# Altium PCB Copy of EXP_V111.PcbDoc (part 2 of 3)
Units mm, origin at the board's own origin, x right, y up, seen from the top; angles counter-clockwise.
Board outline 86 x 86 mm, 4 copper layers (Top Layer, Mid-Layer 1, Mid-Layer 2, Bottom Layer), stack 1.584 mm thick; 340 components, 283 nets, 1185 pads, 448 vias.
Unrouted connection lines stored in the file: 498.
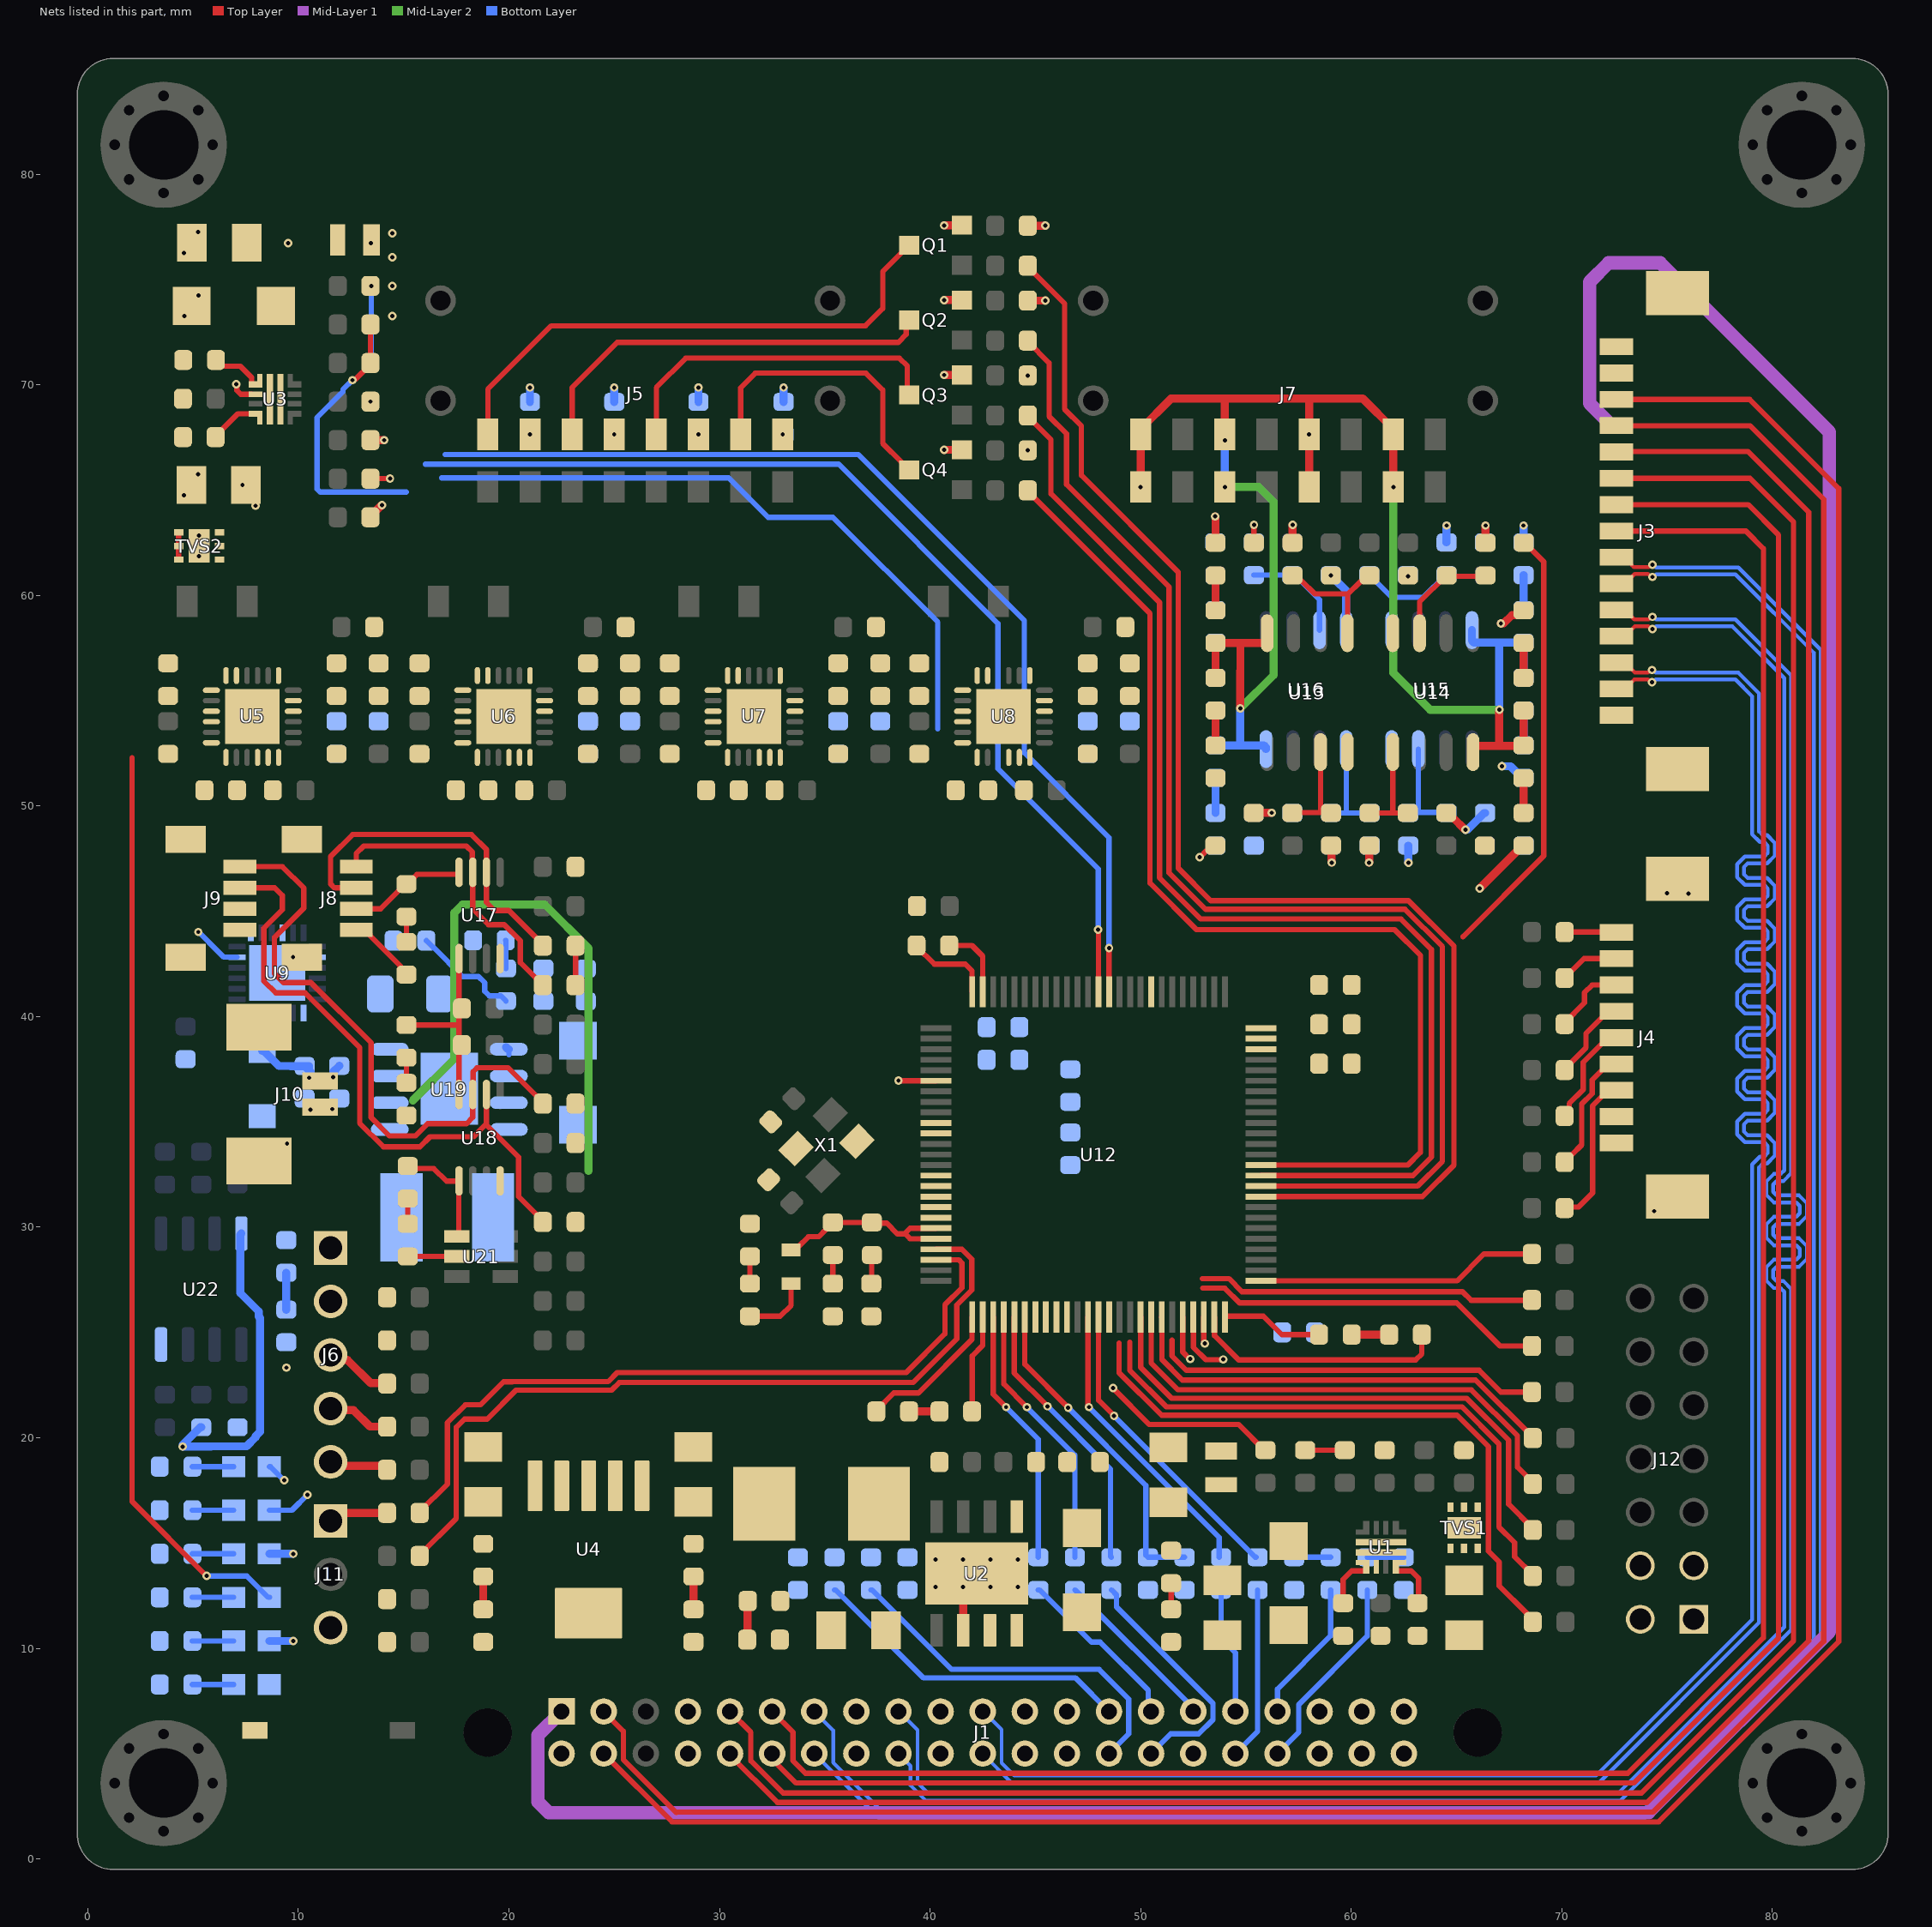
[diagram p4: the nets of this part, all layers, seen from the top]

## Part data
BT1: library part SW2, "Switch button 2 pin"
C1 C2 C8 C9 C12 C13 C17 C18: library part "Cap_Tantalum SMD", "SMD", Chung_Loai=Dán, Don_Vi=Con, Ma_Hang=MH001956, So_Chan=2, Ten_Linh_Kien="Tụ tantalum 477A-470uF 10V SMD7343"
C3 C4 C5 C6 C7 C10 C11 C14 C15 C16 C19 C20 C21 C22 C23 C24 C25 C26 C27 C28 C29 C30 C31 C32 C33 C34 C35 C36 C37 C38 C39 C40 C41 C42 C43 C44 C45 C46 C75 C76 C77 C78 C79 C80 C81 C82 C83 C84 C85 C86 C87 C88 C89 C90 C91 C92 C93 C94 C95 C96 C97 C98 C99 C100 C101 C102 C103 C104 C105 C106 C107 C108 C109 C110 C111 C112 C113 C114 C115 C116 C117 C118 C119 C120 C121 C122 C123 C124 C125 C126 C127 C128 C129 C130 C136 C137 C138 C139 C143 C144 C145 C146 C148 C149 C150 C151 C152 C153 C154 C155 C156: library part Capacitors
D1 D2 D3 D4: "DIODE SCHOTTKY 60V 3A DO214AA"
D5: library part 1N4148-W-7, "DIODE GEN PURP 100V 300MA SOD123", MFR="Diodes Incorporated", MPN=1N4148W-7-F, Solder=SMT
DAC1 DAC2 DAC3 DAC4: "12 Bit Digital to Analog Converter, P/N: MCP4921-E/SN"
DS1 DS2 DS3 DS4 DS5 DS6: library part "LED SMD"
J1: library part CONN_TH_42, "CONN HEADER VERT 42POS 2MM"
J3: library part CONN_SMD_15, "Conn Shrouded Header (4 Sides) HDR 15 POS 1.25mm Solder RA Side Entry SMD PicoBladeâ„¢ T/R", Package=None, Availability="In Stock", Check_prices=https://www.snapeda.com/parts/532611571/Molex/view-part/?ref=eda, MF=Molex, MP=532611571, Price=None, Purchase-URL=https://pricing.snapeda.com/search/part/532611571/?ref=eda, SnapEDA_Link=https://www.snapeda.com/parts/532611571/Molex/view-part/?ref=snap
J4: library part CONN_SMD_09, "CONN HEADER SMD R/A 9POS 1.25MM"
J5 J7: library part CONN_SMD_16, "CONN HEADER SMD R/A 16POS 2MM"
J6: "WR-PHD 2.54 mm Angled Socket Header", Manufacturer="W¨¹rth Elektronik eiSos GmbH", partNo=613005143121, ComponentLink1 Description=Manufacturer, ComponentLink1URL=http://www.we-online.com, ComponentLink2 Description=Datasheet, ComponentLink2URL=http://katalog.we-online.de/em/datasheet/6130xx143121.pdf, Created by="Karrer Zheng", Created Date="29 March 2013", NoPins=05
J8 J9: "CONN HEADER SMD 4POS 1MM"
J10: library part CONN_SMD_02, "CONN HEADER SMD R/A 2POS 1.25MM"
J11: "WR-PHD 2.54 mm Angled Socket Header", Manufacturer="W¨¹rth Elektronik eiSos GmbH", partNo=613003143121, ComponentLink1 Description=Manufacturer, ComponentLink1URL=http://www.we-online.com, ComponentLink2 Description=Datasheet, ComponentLink2URL=http://katalog.we-online.de/em/datasheet/6130xx143121.pdf, Created by="Karrer Zheng", Created Date="29 March 2013", NoPins=03
J12: library part CONN_TH_14, "CONN SOCKET 14POS 0.1 GOLD PCB"
JP1 JP2 JP3: library part JUMPER
L1: "FIXED IND 22UH 2.5A 170 MOHM SMD"
L2 L3 L4 L5 L7: library part L-SMD-1, Inductance="1.0 μH", Manufacturer="Wurth Elektronik", partNo=78477010, ComponentLink1Description=Manufacturer, ComponentLink1URL=http://www.we-online.de, ComponentLink2Description=Datasheet, ComponentLink2URL=http://katalog.we-online.de/pbs/datasheet/78477010.pdf, Created by="Baojun Chen", Created Date=Nov.2015
L6: library part L-SMD-1, "SRR4828A-820M", Inductance="1.0 μH", Manufacturer="Wurth Elektronik", partNo=78477010, ComponentLink1Description=Manufacturer, ComponentLink1URL=http://www.we-online.de, ComponentLink2Description=Datasheet, ComponentLink2URL=http://katalog.we-online.de/pbs/datasheet/78477010.pdf, Created by="Baojun Chen", Created Date=Nov.2015
Q1 Q2 Q3 Q4: "MOSFET N-CH 30V 5.7A SOT23-3L"
R1 R2 R3 R4 R5 R6 R7 R8 R9 R10 R11 R12 R13 R14 R15 R16 R17 R18 R19 R20 R21 R22 R23 R24 R25 R26 R27 R28 R29 R30 R31 R32 R33 R34 R35 R36 R37 R38 R39 R40 R41 R42 R43 R44 R45 R46 R47 R48 R49 R50 R51 R52 R53 R54 R55 R56 R57 R58 R59 R60 R61 R62 R63 R64 R65 R66 R67 R68 R69 R70 R71 R72 R73 R74 R75 R76 R77 R78 R79 R80 R81 R82 R83 R84 R85 R86 R87 R88 R89 R90 R91 R92 R93 R94 R95 R96 R97 R98 R99 R100 R101 R103 R104 R105 R106 R107 R108 R109 R110 R111 R112 R113 R114 R115 R116 R117 R118 R119 R120 R121 R122 R123 R124 R125 R126 R127 R128 R129 R130 R131 R132 R133 R134 R135 R136 R137 R138 R139 R140 R141 R142 R143 R144 R145 R146 R147 R148 R149 R150 R151 R152 R153 R154: library part "Res SMD", "SMD", Manufacturer="Generic Components", Class=Passive, Published=08/06/2000, Publisher="Altium Hobart Technology Centre"
R102: library part Res-SMD, "RES 0.2 OHM 1% 1W 1206", Manufacturer="Generic Components", Class=Passive, Published=08/06/2000, Publisher="Altium Hobart Technology Centre"
TVS1 TVS2: library part TVS2200, "UNIDIR PRECISION SURGE DIODE"
U2: "IC REG BUCK ADJ 3A 8SOPWR"
U4: "IC REG LINEAR 3.3V 1.5A SOT223-6"
U5 U6 U7 U8: "IC THERMO COOLER DRIVER 24LFCSP", Mfr_Name="Analog Devices Inc", RefDes=RefDes, Type=Type
U9: library part ADG1414, "IC SW SPST-NOX8 11.5OHM 24LFCSP"
U12: "No Description Available", Mfr_Name=STMicroelectronics, RefDes=RefDes, Type=Type
U19: "IC LED DRIVER RGLTR PWM 3A 8SO"
U21: "IC OSC PROG TIMER TSOT23-6"
U22: "FRAM _Ferroelectric RAM_ Memory IC 2Mb _256K x 8_ SPI 40MHz 8-SOP", Package="SO-8 Fujitsu", Digi-Key_Part_Number=865-1286-1-ND, Digi-Key_Purchase_URL=https://www.digikey.com/product-detail/en/fujitsu-electronics-america-inc/MB85RS2MTAPNF-G-BDERE1/865-1286-1-ND/7916252?utm_source=snapeda&utm_medium=aggregator&utm_campaign=symbol, MF="Fujitsu Electronics", MP=MB85RS2MTAPNF-G-BDERE1, SnapEDA_Link=https://www.snapeda.com/parts/MB85RS2MTAPNF-G-BDERE1/Fujitsu%20Electronics%20America%2C%20Inc./view-part/2344795/?ref=snap
X1: library part XT4, "Crystal, 8 MHz, -30 to 85 degC, 3.2 x 2.5 x 0.9 mm SMD"

## Via types
v1: diameter 0.4, hole 0.2, Top Layer to Bottom Layer, tented both sides, 448 vias

## Nets (pads, with @x,y where several pads share a name; then routed paths per layer and width w, separated by ;. In a path a pad name is that pad's centre, name@x,y a point inside that pad or via, vN(x,y) a via of type N, cw(c..) or ccw(c..) an arc to the next point about the centre after c; other vN are vias at no path point)
5V: C7.2 C8.1 C12.1 C16.2 C17.1 C121.2 C154.2 D4.1 DS2.1 JP2.1 L1.2 R9.1 R12.1 R102.2 TVS2.4 TVS2.5 TVS2.6 U3.5 U4.1 U4.2 U19.6 | length 1.1
  Bottom Layer w0.381: DS2.1@8.623,10.35 v1(9.754,10.35)
  other v1: 7.97,64.257 7.342,65.245 13.423,69.204 14.465,73.263 14.465,74.695 14.465,76.057 13.444,76.73 14.465,77.2
5V_CAM: J1.1 J3.15 | length 149
  Mid-Layer 1 w0.635: J1.1@22.394,7.106 J1.1@22.5,7 21.375,5.876 21.375,2.705 21.882,2.198 74.129,2.198 82.708,10.777 82.708,67.761 74.675,75.794 72.225,75.794 71.32,74.89 71.32,69.12 72.118,68.322
5V_TEMP: C13.1 C24.2 C25.2 C36.2 C37.2 C83.2 C84.2 C122.2 C139.2 D3.1 DS3.1 J5.10 J5.12 J5.14 J5.16 JP2.2 R21.1 R22.1 R37.1 R39.1 U3.6 U5.15 U5.16 U6.15 U6.16 U7.15 U7.16 U8.15 U8.16 | length 43.7
  Top Layer w0.254: 2.1,52.281 2.1,16.975 v1(5.639,13.437)
  Bottom Layer w0.254: v1(5.639,13.437) 7.555,13.437 8.573,12.419 DS3.1@8.623,12.419
  other v1: 21,67.65 25,67.65 29,67.65 33,67.65 9.515,76.73
12V: C2.1 C6.2 C9.1 D1.1 DS1.1 JP1.2 U1.6 U2.7 U9.23 | length 2.3
  Bottom Layer w0.254: v1(5.248,44.017) 5.272,44.017 5.761,43.528 5.761,43.517 6.458,42.82 U9.23@7.091,42.82
12V_EXP: C1.1 J1.19 J1.20 J1.21 J4.1 J12.02 J12.04 JP1.1 R2.1 TVS1.4 TVS1.5 TVS1.6 U1.5
+3.3: C18.1 C19.2 C77.2 C85.2 C86.2 C93.2 C94.2 C101.2 C102.2 C109.2 C110.2 C117.2 C118.2 C126.2 C127.2 C128.2 C136.2 C137.2 C138.2 C143.2 C155.2 DAC1.1 DAC1.6 DAC2.1 DAC2.6 DAC3.1 DAC3.6 DAC4.1 DAC4.6 DS4.1 J1.13 J6.1 J7.1 J7.3 J7.5 J7.7 J7.9 J7.11 J7.13 J7.15 J8.2 J9.2 L7.1 R3.1 R14.1 R38.1 R40.1 R41.1 R42.1 R43.1 R44.1 R90.1 R91.1 R92.1 R93.1 R99.1 R100.1 R110.1 R135.1 R139.1 R140.1 R149.1 R153.2 U4.4 U4.5 U12.6 U12.11 U12.27 U12.50 U12.75 U12.100 U13.8 U14.8 U15.8 U16.8 U17.1 U17.8 U18.1 U18.8 U21.1 U22.8 | length 212.8
  Top Layer w0.254: v1(12.567,70.225) 12.594,70.253 12.699,70.253 13.384,70.938 13.423,70.938 R149.1@13.423,71.034 R14.1@13.423,72.839 ; J8.2@12.748,45.118 13.906,45.118 15.081,46.293 C117.2@15.131,46.293 15.171,46.293 15.628,46.75 17.586,46.75 17.586,46.808 U17.8@17.631,46.852 ; C118.2@15.131,39.599 17.549,39.599 ; C143.2@15.194,32.906 15.317,32.783 16.432,32.783 17.033,32.182 U18.1@17.613,32.182 ; U21.1@17.532,29.559 17.613,29.64 U18.1@17.613,32.182 ; 17.629,39.547 17.629,40.248 17.648,40.267 R90.1@17.767,40.386 ; U18.1@17.631,32.2 U18.1@17.613,32.182 ; U18.8@17.631,36.3 17.631,39.518 ; R90.1@17.631,40.386 U17.1@17.631,42.752 ; R93.1@23.163,41.493 R92.1@23.163,43.367 ; C77.2@31.445,25.767 32.88,25.767 33.401,26.288 L7.1@33.401,27.317 ; v1(38.5,36.958) 38.504,36.954 40.274,36.954 U12.6@40.278,36.95 ; C128.2@39.358,43.328 40.201,42.485 41.68,42.485 41.996,42.168 U12.100@41.996,41.175 ; C138.2@41.998,21.25 41.998,23.887 42.5,24.388 U12.27@42.5,25.728 ; U12.50@54,25.728 54,25.764 54.013,25.776 55.831,25.776 56.711,24.897 C136.2@58.475,24.897 ; R3.1@57.814,19.409 R135.1@59.701,19.409
  Top Layer w0.381: v1(50,65.15) J7.9@50,67.65 50,67.9 51.442,69.342 54,69.342 ; C86.2@53.554,56.083 C85.2@53.554,57.74 54.73,57.74 ; J7.11@54,67.65 54,69.342 ; v1(54.731,54.632) 54.734,54.634 54.734,56.411 54.737,56.413 54.737,57.733 54.73,57.74 ; U13.8@56.007,58.206 56.007,57.841 55.906,57.74 54.73,57.74 ; J7.5@58,65.15 v1(58,67.65) 58,69.342 ; v1(62,65.15) J7.15@62,67.65 62,67.9 60.558,69.342 58,69.342 ; U14.8@65.786,52.557 65.786,52.753 65.887,52.855 67.025,52.855 ; v1(67.034,54.569) 67.034,53.714 67.025,53.705 67.025,52.855 ; C93.2@68.186,54.533 C94.2@68.186,52.877 68.164,52.855 67.025,52.855 ; 54,69.342 58,69.342
  Mid-Layer 2 w0.381: 15.438,36.019 17.406,37.987 17.406,44.926 17.795,45.316 21.696,45.316 23.782,43.23 23.782,32.675 ; v1(54,65.15) 55.602,65.15 56.312,64.44 56.312,56.212 v1(54.731,54.632) ; v1(62,65.15) 62,56.324 63.755,54.569 v1(67.034,54.569)
  Bottom Layer w0.254: v1(12.567,70.225) 12.116,69.775 12.116,69.675 10.886,68.445 10.886,65.055 11.035,64.906 15.12,64.906 ; 16.797,65.583 30.433,65.583 32.306,63.71 35.388,63.71 40.366,58.733 40.366,53.659
  Bottom Layer w0.381: R139.1@5.387,20.496 5.337,20.496 4.513,19.672 4.513,19.583 v1(4.509,19.579) 5.857,19.579 5.871,19.593 7.535,19.593 7.97,20.028 7.97,20.078 8.175,20.283 8.175,25.692 8.12,25.747 8.12,25.996 7.243,26.874 7.243,29.644 U22.8@7.293,29.695 ; DS4.1@8.623,14.488 v1(9.754,14.488) ; C109.2@53.554,54.543 C110.2@53.554,52.882 54.731,52.882 ; v1(54,65.15) v1(54,67.359) ; v1(54.731,54.632) 54.731,52.882 ; U16.8@55.954,52.703 55.954,52.78 55.853,52.882 54.731,52.882 ; U15.8@65.733,58.353 65.733,57.856 65.835,57.755 67.034,57.755 ; v1(67.034,54.569) 67.034,57.755 ; C102.2@68.186,56.093 C101.2@68.186,57.755 67.034,57.755
ADC_TEMP1: C92.2 R66.2 U12.15 | length 1
  Top Layer w0.254: v1@52.816,47.566 53.125,47.875 53.297,47.875 R66.2@53.542,48.12
  other v1: 52.797,47.566
ADC_TEMP2: C98.2 R72.2 U12.16
ADC_TEMP3: C91.2 R67.2 U12.17 | length 0.9
  Top Layer w0.254: R67.2@55.374,62.497 55.378,62.501 55.378,63.351 v1(55.382,63.355)
ADC_TEMP4: C100.2 R73.2 U12.18 | length 20.7
  Top Layer w0.254: 65.311,43.795 69.147,47.631 69.147,61.599 68.248,62.497 R73.2@68.198,62.497
ADC_TEMP5: C106.2 R78.2 U12.32
ADC_TEMP6: C114.2 R84.2 U12.33
ADC_TEMP7: C108.2 R80.2 U12.34
ADC_TEMP8: C116.2 R85.2 U12.35
CAM_CK_N: J1.7 J3.6 | length 111.6
  Top Layer w0.18: J3.6@72.6,60.56 73,60.56 73.46,61.02 74.1,61.02 74.244,60.876 v1(74.303,60.876)
  Bottom Layer w0.18: J1.7@34.5,7 35.397,6.103 35.397,4.571 37.756,2.212 73.756,2.212 81.966,10.422 81.966,57.284 78.25,61 74.487,61
CAM_CK_P: J1.28 J3.7 | length 111.1
  Top Layer w0.18: J3.7@72.6,61.81 73,61.81 73.31,61.5 73.31,61.455 73.415,61.35 74.14,61.35 74.244,61.454 v1(74.303,61.454)
  Bottom Layer w0.18: J1.28@34.5,5 34.501,5 37.62,1.882 73.893,1.882 82.296,10.285 82.296,57.421 78.387,61.33 74.487,61.33
CAM_D0_N: J1.11 J3.2 | length 109.3
  Top Layer w0.18: J3.2@72.6,55.56 73,55.56 73.448,56.008 74.096,56.008 74.222,55.882 v1(74.282,55.882)
  Bottom Layer w0.18: J1.11@42.5,7 42.536,7 43.397,6.139 43.397,4.557 44.002,3.952 71.632,3.952 79.045,11.365 79.045,31.808 79.045,32.982 79.41,33.348 79.613,33.348 79.784,33.52 79.784,33.864 79.613,34.036 78.692,34.036 78.327,34.401 78.327,35.018 78.692,35.384 79.613,35.384 79.784,35.556 79.784,35.9 79.613,36.072 78.692,36.072 78.327,36.437 78.327,37.054 78.692,37.42 79.613,37.42 79.784,37.592 79.784,37.936 79.613,38.108 78.692,38.108 78.327,38.473 78.327,39.09 78.692,39.456 79.613,39.456 79.784,39.628 79.784,39.972 79.613,40.144 78.692,40.144 78.327,40.509 78.327,41.126 78.692,41.492 79.613,41.492 79.784,41.664 79.784,42.008 79.613,42.18 78.692,42.18 78.327,42.545 78.327,43.162 78.692,43.528 79.613,43.528 79.784,43.7 79.784,44.044 79.613,44.216 78.692,44.216 78.327,44.581 78.327,45.198 78.692,45.564 79.613,45.564 79.784,45.736 79.784,46.08 79.613,46.252 78.692,46.252 78.327,46.617 78.327,47.234 78.692,47.6 79.613,47.6 79.784,47.772 79.784,48.116 79.613,48.288 79.41,48.288 79.045,48.653 79.045,48.976 79.045,55.205 78.244,56.006 74.465,56.006
CAM_D0_P: J1.32 J3.3 | length 108.8
  Top Layer w0.18: J3.3@72.6,56.81 73,56.81 73.472,56.338 74.101,56.338 74.222,56.46 v1(74.282,56.46)
  Bottom Layer w0.18: J1.32@42.5,5 42.5,4.987 43.865,3.622 71.769,3.622 79.375,11.229 79.375,31.808 79.375,32.846 79.547,33.018 79.749,33.018 80.114,33.383 80.114,34 79.749,34.366 78.829,34.366 78.657,34.538 78.657,34.882 78.829,35.054 79.749,35.054 80.114,35.419 80.114,36.036 79.749,36.402 78.829,36.402 78.657,36.574 78.657,36.918 78.829,37.09 79.749,37.09 80.114,37.455 80.114,38.072 79.749,38.438 78.829,38.438 78.657,38.61 78.657,38.954 78.829,39.126 79.749,39.126 80.114,39.491 80.114,40.108 79.749,40.474 78.829,40.474 78.657,40.646 78.657,40.99 78.829,41.162 79.749,41.162 80.114,41.527 80.114,42.144 79.749,42.51 78.829,42.51 78.657,42.682 78.657,43.026 78.829,43.198 79.749,43.198 80.114,43.563 80.114,44.18 79.749,44.546 78.829,44.546 78.657,44.718 78.657,45.062 78.829,45.234 79.749,45.234 80.114,45.599 80.114,46.216 79.749,46.582 78.829,46.582 78.657,46.754 78.657,47.098 78.829,47.27 79.749,47.27 80.114,47.635 80.114,48.252 79.749,48.618 79.547,48.618 79.375,48.79 79.375,48.976 79.375,55.342 78.381,56.336 74.465,56.336
CAM_D1_N: J1.9 J3.4 | length 108.8
  Top Layer w0.18: J3.4@72.6,58.06 73,58.06 73.473,58.533 74.114,58.533 74.244,58.403 v1(74.303,58.403)
  Bottom Layer w0.18: J1.9@38.5,7 38.533,7 39.406,6.127 39.406,3.622 39.929,3.099 72.659,3.099 80.569,11.009 80.569,26.745 80.569,26.932 80.397,27.104 80.07,27.104 79.705,27.469 79.705,28.087 80.07,28.452 81.134,28.452 81.306,28.624 81.306,28.968 81.134,29.14 80.07,29.14 79.705,29.505 79.705,30.123 80.07,30.488 81.134,30.488 81.306,30.66 81.306,31.004 81.134,31.176 80.07,31.176 79.705,31.541 79.705,32.159 80.07,32.524 80.397,32.524 80.569,32.696 80.569,33.334 80.569,56.068 78.109,58.527 74.487,58.527
CAM_D1_P: J1.30 J3.5 | length 108.3
  Top Layer w0.18: J3.5@72.6,59.31 73,59.31 73.447,58.863 74.126,58.863 74.244,58.981 v1(74.303,58.981)
  Bottom Layer w0.18: J1.30@38.5,5 38.5,4.991 39.076,4.416 39.076,3.485 39.792,2.769 72.795,2.769 80.899,10.872 80.899,26.745 80.899,27.069 80.534,27.434 80.207,27.434 80.035,27.606 80.035,27.95 80.207,28.122 81.271,28.122 81.636,28.487 81.636,29.105 81.271,29.47 80.207,29.47 80.035,29.642 80.035,29.986 80.207,30.158 81.271,30.158 81.636,30.523 81.636,31.141 81.271,31.506 80.207,31.506 80.035,31.678 80.035,32.022 80.207,32.194 80.534,32.194 80.899,32.559 80.899,33.334 80.899,56.204 78.246,58.857 74.487,58.857
CAM_IO0: J1.27 J3.9 | length 112.1
  Top Layer w0.254: J1.27@32.5,5 32.5,4.742 33.639,3.603 73.423,3.603 80.295,10.474 80.295,62.865 78.849,64.31 J3.9@72.6,64.31
CAM_IO1: J1.6 J3.8 | length 110.8
  Top Layer w0.254: J1.6@32.5,7 33.485,6.015 33.485,4.664 34.085,4.064 73.14,4.064 79.579,10.503 79.579,62.227 78.746,63.06 J3.8@72.6,63.06
CAM_SCL: J1.5 J3.10 | length 118.3
  Top Layer w0.254: J1.5@30.5,7 31.489,6.011 31.489,4.659 33.018,3.131 73.786,3.131 81.01,10.354 81.01,63.49 78.94,65.56 J3.10@72.6,65.56
CAM_SDA: J1.26 J3.11 | length 119.3
  Top Layer w0.254: J1.26@30.5,5 30.5,4.928 32.748,2.68 74.044,2.68 81.725,10.361 81.725,63.953 78.841,66.837 72.627,66.837 J3.11@72.6,66.81
CM4_SCL: J1.2 J3.12 | length 129.6
  Top Layer w0.254: J1.2@24.5,7 25.434,6.066 25.434,4.716 27.951,2.199 ; 27.951,2.219 74.327,2.219 82.441,10.332 82.441,64.559 78.94,68.06 J3.12@72.6,68.06
CM4_SDA: J1.23 J3.13 | length 130.6
  Top Layer w0.254: J1.23@24.5,5 27.743,1.757 74.598,1.757 83.156,10.315 83.156,65.08 78.926,69.31 J3.13@72.6,69.31
CONS_UART4_RX: R113.1 U12.23 | length 35.2
  Top Layer w0.254: R113.1@15.761,16.43 15.761,16.48 17.075,17.795 17.075,20.714 17.927,21.565 18.653,21.565 19.74,22.653 20.159,22.653 20.169,22.663 24.708,22.663 25.138,23.093 38.863,23.093 40.705,24.934 40.705,26.312 41.511,27.118 41.511,28.301 41.362,28.45 U12.23@40.278,28.45
CONS_UART4_TX: R114.1 U12.22 | length 38.3
  Top Layer w0.254: R114.1@15.761,14.383 15.761,14.433 17.5,16.172 17.5,20.496 17.889,20.885 18.962,20.885 20.336,22.259 24.875,22.259 25.237,22.621 39.194,22.621 41.267,24.693 41.267,26.303 41.982,27.019 41.982,28.482 41.515,28.95 U12.22@40.278,28.95
DAC_nCS_1: DAC1.2
DAC_nCS_2: DAC2.2
DAC_nCS_3: DAC3.2
DAC_nCS_4: DAC4.2
DAC_nLDAC: DAC1.5 DAC2.5 DAC3.5 DAC4.5
EF_5_AUX: R15.2 U12.87 | length 53.6
  Top Layer w0.254: R15.2@13.423,74.695 v1(13.467,74.695) ; U12.87@48.5,41.172 v1(48.5,43.255)
  Bottom Layer w0.254: 13.467,71.188 v1(13.467,74.695) ; 16.962,66.693 36.58,66.693 44.477,58.797 44.477,52.523 48.5,48.5 v1(48.5,43.255)
EF_5_EN: R13.1 U12.88 | length 50.7
  Top Layer w0.254: R13.1@13.423,65.543 13.424,65.545 14.349,65.545 v1(14.351,65.547) ; v1(47.973,44.13) 47.998,44.105 47.998,43.467 47.995,43.464 47.995,43.046 47.998,43.043 U12.88@47.998,41.174
  Bottom Layer w0.254: 16.032,66.228 35.66,66.228 43.223,58.665 43.223,51.777 47.99,47.01 v1@47.99,44.147
EF_12_AUX: R4.2 | length 8.4
  Top Layer w0.254: v1@48.692,22.341 50.406,20.627 54.659,20.627 55.877,19.409 R4.2@55.927,19.409
  other v1: 48.692,22.363
EXP_I2C2_SCL: R42.2 R45.1 U12.46 | length 3.9
  Top Layer w0.254: U12.46@52,25.728 51.998,25.726 51.998,24.071 v1@52.33,23.739
  Bottom Layer w0.254: R42.2@57.292,14.324 R45.1@59.028,14.324
  other v1: 52.35,23.739
EXP_I2C2_SDA: R43.2 R47.2 U12.47 | length 4.8
  Top Layer w0.254: U12.47@52.5,25.728 52.513,25.716 52.513,24.291 53.099,23.704 v1@53.905,23.704
  Bottom Layer w0.254: R47.2@60.764,14.324 R43.2@62.5,14.324
  other v1: 53.919,23.718
EXP_SPI1_CS: R52.1 U12.28 | length 12.3
  Top Layer w0.254: U12.28@43,25.728 43,22.063 v1(43.61,21.453)
  Bottom Layer w0.254: v1(43.61,21.453) 45.14,19.923 R52.1@45.14,14.324
EXP_SPI1_MISO: R53.2 U12.30 | length 13.3
  Top Layer w0.254: U12.30@44,25.728 44,23.069 v1(45.577,21.493)
  Bottom Layer w0.254: v1(45.577,21.493) 48.569,18.5 48.569,14.367 R53.2@48.612,14.324
EXP_SPI1_MOSI: R40.2 R51.2 U12.31 | length 15.6
  Top Layer w0.254: U12.31@44.5,25.728 44.5,23.485 v1(46.56,21.425)
  Bottom Layer w0.254: v1(46.56,21.425) 50.25,17.735 50.25,14.422 R51.2@50.348,14.324 R40.2@52.084,14.324
EXP_SPI1_SCK: R50.1 U12.29 | length 12.8
  Top Layer w0.254: U12.29@43.5,25.728 43.5,22.546 v1(44.593,21.453)
  Bottom Layer w0.254: v1(44.593,21.453) 46.876,19.171 R50.1@46.876,14.324
EXP_UART7_RX: R48.1 U12.37 | length 14
  Top Layer w0.254: U12.37@47.5,25.728 47.5,21.536 47.543,21.493 v1(47.543,21.453)
  Bottom Layer w0.254: v1(47.543,21.453) 53.729,15.268 R48.1@53.729,14.324
EXP_UART7_TX: R49.2 U12.38 | length 14.5
  Top Layer w0.254: U12.38@48,25.728 48,21.778 v1(48.739,21.039)
  Bottom Layer w0.254: v1(48.739,21.039) 48.739,21.029 55.444,14.324 R49.2@55.483,14.324
FRAM_CS: R141.1 U12.83
GND: BT1.1 C1.2 C2.2 C3.1 C4.1 C8.2 C9.2 C10.1 C11.1 C12.2 C13.2 C14.1 C15.1 C17.2 C18.2 C20.1 C21.1 C22.1 C23.1 C24.1 C25.1 C26.1 C27.1 C28.1 C29.1 C30.1 C31.1 C32.1 C33.1 C34.1 C35.1 C36.1 C37.1 C38.1 C39.1 C40.1 C41.1 C42.1 C43.1 C44.1 C45.1 C46.1 C78.1 C79.1 C80.1 C81.1 C82.1 C83.1 C84.1 C87.1 C88.1 C89.1 C90.1 C91.1 C92.1 C95.1 C96.1 C97.1 C98.1 C99.1 C100.1 C103.1 C104.1 C105.1 C106.1 C107.1 C108.1 C111.1 C112.1 C113.1 C114.1 C115.1 C116.1 C119.1 C120.1 C121.1 C122.1 C125.1 C128.1 C129.1 C130.1 C139.1 C144.1 C145.1 C146.1 C148.1 C149.1 C150.2 C151.1 C152.1 C153.1 C154.1 C156.1 D1.2 D2.2 D3.2 DAC1.7 DAC2.7 DAC3.7 DAC4.7 J1.34 J1.40 J1.41 J1.42 J3.S1 J3.S2 J4.2 J4.S1 J4.S2 J6.2 J8.1 J8.5 J8.6 J9.1 J9.5 J9.6 J10.S1 J10.S2 J11.3 J12.01 J12.03 Q1.3 Q2.3 Q3.3 Q4.3 R5.2 R6.2 R7.2 R10.2 R11.2 R16.2 R17.2 R18.2 R19.2 R20.2 R27.2 R28.2 R29.2 R30.2 R35.2 R36.2 R46.2 R62.1 R63.1 R64.1 R65.1 R70.2 R71.2 R76.2 R77.2 R82.2 R83.2 R88.2 R89.2 R98.2 R101.2 R104.1 R108.1 R109.1 R111.2 R112.2 R136.2 R137.2 R138.2 R145.2 R151.2 R152.2 TVS1.1 TVS1.2 TVS1.3 TVS1.7 TVS2.1 TVS2.2 TVS2.3 TVS2.7 U1.8 U2.6 U2.9 U3.8 U4.3 U4.6 U5.7 U5.12 U5.13 U5.18 U5.19 U5.22 U5.23 U5.25 U6.7 U6.12 U6.13 U6.18 U6.19 U6.22 U6.23 U6.25 U7.7 U7.12 U7.13 U7.18 U7.19 U7.22 U7.23 U7.25 U8.7 U8.12 U8.13 U8.18 U8.19 U8.22 U8.23 U8.25 U9.1 U9.18 U9.HTAB U12.10 U12.19 U12.26 U12.49 U12.74 U12.99 U13.4 U14.4 U15.4 U16.4 U17.4 U18.4 U19.1 U19.2 U19.EPAD U21.2 U22.4 X1.2 X1.4 | length 64.3
  Top Layer w0.254: TVS2.3@4.313,61.7 TVS2.2@4.313,62.35 TVS2.1@4.313,63 ; v1(7.05,70.03) 7.078,70.002 7.078,69.737 7.264,69.551 U3.8@7.772,69.551 ; J8.1@12.748,44.118 13.193,44.118 13.396,43.915 13.396,43.85 14.836,42.41 14.836,42.288 15.127,41.996 C119.1@15.131,41.996 ; C148.1@15.194,28.609 U21.2@17.531,28.609 ; C146.1@37.449,21.25 37.449,21.3 38.273,22.124 39.448,22.124 41.987,24.663 41.987,25.716 U12.26@42,25.728 ; C128.1@40.908,43.375 41.992,43.375 42.5,42.867 U12.99@42.5,41.172 ; U12.49@53.5,25.728 53.502,25.726 53.502,24.85 54.656,23.696 63.065,23.696 63.354,23.985 C144.1@63.354,24.897
  Top Layer w0.381: v1(9.748,42.818) J8.5@10.168,42.818 ; R17.2@13.423,63.713 13.423,63.751 13.956,64.285 13.968,64.285 v1(13.972,64.288) ; R18.2@13.423,67.374 v1(14.074,67.374) ; v1(40.665,77.572) 40.669,77.575 41.502,77.575 Q1.3@41.508,77.582 ; v1(40.672,66.91) 40.676,66.914 Q4.3@41.508,66.914 Q4.3@41.515,66.92 ; v1(40.672,70.466) 40.676,70.47 Q3.3@41.508,70.47 Q3.3@41.515,70.476 ; v1(40.672,74.022) 40.676,74.026 Q2.3@41.508,74.026 Q2.3@41.515,74.032 ; U2.6@41.562,12.908 41.577,12.893 U2.6@41.577,10.858 ; R63.1@44.636,73.994 R63.1@44.642,74 45.475,74 v1(45.479,74.004) ; R62.1@44.636,77.55 R62.1@44.642,77.556 45.475,77.556 v1(45.479,77.56) ; D2.2@47.216,15.71 47.216,15.202 D2.2@47.247,15.171 ; v1(53.543,63.752) 53.543,63.746 53.554,63.735 C87.1@53.554,62.497 ; R71.2@55.371,49.67 55.374,49.673 56.224,49.673 v1(56.227,49.676) ; C90.1@57.219,62.497 v1(57.219,63.351) ; C89.1@59.041,48.12 59.068,48.093 59.068,47.317 v1(59.072,47.313) ; v1(60.852,47.313) 60.856,47.317 60.856,48.106 C97.1@60.87,48.12 ; v1(62.702,60.91) R76.2@62.702,60.947 ; R77.2@64.516,49.67 64.736,49.449 64.832,49.449 65.408,48.873 v1@65.422,48.873 ; v1(66.098,46.086) 66.1,46.086 68.134,48.12 C96.1@68.186,48.12 ; C99.1@66.379,62.497 v1(66.379,63.32) ; v1(67.109,58.671) 67.113,58.674 67.244,58.674 67.639,59.069 67.965,59.069 C95.1@68.186,59.29 ; v1(74.394,30.762) 74.47,30.762 75.158,31.45 J4.S1@75.5,31.45 ; J4.S2@75.5,46.55 76.013,46.037 v1(76.013,45.845)
  Bottom Layer w0.381: v1(20.997,69.875) 20.999,69.874 C83.1@21,69.191 C83.1@21,69.191 ; v1(24.997,69.875) v1(24.997,69.875) 24.999,69.192 C84.1@25,69.191 ; v1(28.997,69.875) v1(28.997,69.875) 28.999,69.192 C139.1@29,69.191 ; v1(33.043,69.875) 33.044,69.874 C122.1@33.045,69.191 C122.1@33.045,69.191 ; v1(59.038,60.947) 59.086,60.947 59.3,60.734 59.3,60.685 59.764,60.221 U16.4@59.764,58.353 ; v1(62.715,47.305) C107.1@62.715,48.12 ; C105.1@64.528,62.517 v1(64.528,63.32) ; v1(65.43,48.87) 65.434,48.873 65.52,48.873 66.316,49.67 R83.2@66.366,49.67 ; v1(67.158,51.892) 67.161,51.889 67.567,51.889 68.124,51.332 C104.1@68.186,51.332 ; C103.1@68.186,62.517 v1(68.186,63.32)
  other v1: 9.427,23.33 9.46,33.969 74.992,45.866 5.283,61.858 5.283,62.849 4.559,64.762 5.231,65.753 44.642,66.888 44.642,70.444 4.579,73.263 5.251,74.253 4.572,76.26 5.244,77.251
GND_CAM: J1.4 J1.8 J1.10 J1.12 J1.22 J1.25 J1.29 J1.31 J1.33 J3.1 J3.14
HEATER_1_B: J5.9 Q1.2 | length 26
  Top Layer w0.254: J5.9@19,67.65 19,69.789 22.012,72.801 36.936,72.801 37.753,73.617 37.753,75.376 38.66,76.284 38.66,76.309 38.983,76.632 Q1.2@39.008,76.632
HEATER_2_B: J5.11 Q2.2 | length 19.9
  Top Layer w0.254: J5.11@23,67.65 23,69.872 25.145,72.017 38.49,72.017 38.866,72.394 38.866,72.934 Q2.2@39.008,73.076
HEATER_3_B: J5.13 Q3.2 | length 16.3
  Top Layer w0.254: J5.13@27,67.65 27,69.871 28.399,71.27 38.546,71.27 38.919,70.897 38.919,69.609 Q3.2@39.008,69.52
HEATER_4_B: J5.15 Q4.2 | length 13.9
  Top Layer w0.254: J5.15@31,67.65 31.002,67.652 31.002,69.861 31.697,70.556 36.947,70.556 37.753,69.751 37.753,67.219 38.66,66.312 38.66,66.287 38.983,65.964 Q4.2@39.008,65.964
HEATER_PWM4_1: R58.1 U12.59 | length 66.4
  Top Layer w0.254: R58.1@44.642,75.656 44.642,75.606 46.387,73.862 46.387,68.849 47.188,68.048 47.188,65.697 51.787,61.099 51.787,47.045 53.332,45.5 62.721,45.5 64.881,43.341 64.881,32.949 63.382,31.45 U12.59@55.722,31.45
HEATER_PWM4_2: R59.1 U12.60 | length 61.8
  Top Layer w0.254: R59.1@44.642,72.1 44.642,72.05 45.655,71.038 45.655,68.503 46.482,67.676 46.482,65.269 51.351,60.401 51.351,46.831 53.086,45.096 62.554,45.096 64.33,43.319 64.33,33.131 63.149,31.95 U12.60@55.722,31.95
HEATER_PWM4_3: R60.1 U12.61 | length 57.2
  Top Layer w0.254: R60.1@44.642,68.544 44.642,68.494 45.743,67.394 45.743,64.825 50.904,59.665 50.904,46.588 52.856,44.636 62.364,44.636 63.813,43.187 63.813,33.333 62.93,32.45 U12.61@55.722,32.45
HEATER_PWM4_4: R61.1 U12.62 | length 52.5
  Top Layer w0.254: R61.1@44.642,64.988 44.642,64.938 50.444,59.136 50.444,46.331 52.646,44.129 62.067,44.129 63.286,42.91 63.286,33.543 62.693,32.95 U12.62@55.722,32.95
ILIM_1: R23.2 R27.1 U5.4
ILIM_2: R24.2 R28.1 U6.4
ILIM_3: R56.2 R136.1 U7.4
ILIM_4: R57.2 R137.1 U8.4
IR_LED_P: C123.2 C124.2 D5.2 J10.1 R102.1 U19.3 U19.4 | length 6.9
  Top Layer w0.381: v1(10.513,37.092) 10.888,37.092 J10.1@11.033,36.947 ; J10.1@10.888,37.141 11.629,37.141 v1(11.65,37.12)
  Bottom Layer w0.381: D5.2@8.282,38.372 8.357,38.372 9.078,37.651 9.632,37.651 ; 9.632,37.645 10.501,37.645 10.513,37.634 10.513,37.101 v1@10.516,37.101 ; C123.2@10.297,37.651 C123.2@10.496,37.651 ; C123.2@10.396,37.551 10.58,37.367 v1@10.58,37.227 ; v1(10.513,37.092) v1@10.54,37.12 ; v1@10.519,37.098 10.519,37.095 10.522,37.092 11.617,37.092 11.644,37.119 v1@11.644,37.122 ; v1(11.65,37.12) 11.65,37.367 C124.2@11.944,37.661
IR_LED_PWM: R103.2 R104.2 U12.39 | length 1.3
  Bottom Layer w0.254: R104.2@19.848,43.621 19.855,43.615 19.855,42.293 R103.2@19.861,42.286
IRQ_0: R44.2 R55.2
IRQ_1: R41.2 R54.1
ITEC_ADC_1: U5.11 U9.4
ITEC_ADC_2: U6.11 U9.8
ITEC_ADC_3: U7.11 U9.13
ITEC_ADC_4: U8.11 U9.17
LASER_ADC1: C152.2 R126.2 | length 16.8
  Top Layer w0.254: 52.949,27.104 53.999,27.104 54.698,26.405 65.014,26.405 67.064,24.356 R126.2@68.585,24.356
LASER_ADC2: C153.2 R127.2 | length 16.1
  Top Layer w0.254: 52.925,27.556 54.192,27.556 54.81,26.937 65.287,26.937 65.698,26.526 R127.2@68.571,26.526
LASER_DAC_CS: R123.1 | length 29.6
  Top Layer w0.254: 48.976,24.5 48.976,23.086 50.999,21.063 65.027,21.063 66.514,19.577 66.514,14.616 67.032,14.098 67.032,12.966 68.327,11.671 68.327,11.644 68.625,11.346 R123.1@68.625,11.25
LASER_DAC_LATCH: R125.1 U12.51 | length 13.4
  Top Layer w0.254: U12.51@55.722,27.45 65.026,27.45 66.3,28.724 R125.1@68.585,28.724
LASER_SPI4_MISO: R122.2 U12.43 | length 23.6
  Top Layer w0.254: U12.43@50.5,25.728 50.5,23.552 51.777,22.275 65.711,22.275 67.895,20.091 67.895,18.597 68.625,17.867 R122.2@68.625,17.803
LASER_SPI4_MOSI: R124.2 U12.44 | length 21.2
  Top Layer w0.254: U12.44@51,25.728 51.013,25.716 51.013,23.709 51.982,22.739 65.907,22.739 68.625,20.022 R124.2@68.625,19.987
LASER_SPI4_SCK: R120.2 U12.42 | length 26
  Top Layer w0.254: U12.42@50,25.728 50,23.339 51.468,21.871 65.483,21.871 67.475,19.879 67.475,16.847 R120.2@68.625,15.697
LASER_SW_EXT_CS: R121.1 | length 18.5
  Top Layer w0.254: 51.49,24.628 51.49,23.885 52.168,23.207 66.077,23.207 67.113,22.171 R121.1@68.585,22.171
LASER_SW_INT_CS: R8.1 | length 27.3
  Top Layer w0.254: 49.48,24.54 49.48,23.203 51.215,21.467 65.262,21.467 67.016,19.714 67.016,15.763 67.759,15.019 67.759,14.35 68.625,13.484 R8.1@68.625,13.434
LED_B: DS6.1 | length 2.1
  Bottom Layer w0.254: DS6.1@8.623,16.557 9.695,16.557 v1(10.43,17.293)
LED_G: DS5.1 | length 1
  Bottom Layer w0.254: DS5.1@8.623,18.627 8.673,18.627 9.319,17.981 v1(9.331,17.981)
NetC3_2: C3.2 U1.7 | length 2.6
  Top Layer w0.254: C3.2@59.617,12.145 59.617,13.265 60.026,13.674 60.697,13.674 60.72,13.697 U1.7@60.72,13.872
NetC4_2: C4.2 U1.10 | length 2.6
  Top Layer w0.254: U1.10@62.12,13.872 62.12,13.697 62.143,13.674 62.845,13.674 63.195,13.323 63.195,12.192 C4.2@63.149,12.145
NetC5_1: C5.1 D2.1 L1.1 U2.8
NetC5_2: C5.2 U2.1
NetC6_1: C6.1 C10.2 | length 1.2
  Top Layer w0.254: C10.2@51.445,11.849 C6.1@51.445,13.09
NetC7_1: C7.1 C11.2 | length 1.9
  Top Layer w0.381: C11.2@31.314,10.412 31.33,10.428 31.33,12.234 C7.1@31.346,12.25
NetC14_2: C14.2 U3.7 | length 2.5
  Top Layer w0.254: C14.2@6.084,71.18 6.084,71.177 6.375,70.885 7.239,70.885 7.781,70.343 7.781,70.049 7.804,70.026 U3.7@7.97,70.026
NetC15_2: C15.2 U3.10 | length 2.4
  Top Layer w0.254: C15.2@6.07,67.519 6.07,67.569 7.127,68.626 U3.10@7.97,68.626
NetC16_1: C16.1 C20.2 | length 1.6
  Top Layer w0.381: C20.2@28.761,11.849 C16.1@28.761,13.411
NetC19_1: C19.1 C21.2 | length 1.6
  Top Layer w0.381: C21.2@18.779,11.849 C19.1@18.779,13.411
NetC22_2: C22.2 R21.2 U5.5
NetC23_2: C23.2 R22.2 U6.5
NetC30_2: C30.2 R33.2 U5.24
NetC31_2: C31.2 R34.2 U6.24
NetC34_2: C34.2 R37.2 U7.5
NetC35_2: C35.2 R39.2 U8.5
NetC42_2: C42.2 R148.2 U7.24
NetC43_2: C43.2 R150.2 U8.24
NetC75_1: C75.1 C78.2 | length 1.4
  Top Layer w0.254: C78.2@35.382,27.317 C75.1@35.382,28.675
NetC75_2: C75.2 C76.2 L7.2 U12.20 U12.21 | length 9.3
  Top Layer w0.254: L7.2@33.401,28.917 33.574,29.09 33.764,29.09 34.219,29.545 34.717,29.545 35.087,29.915 35.087,29.934 35.378,30.225 C75.2@35.382,30.225 C76.2@37.236,30.225 37.275,30.187 37.944,30.187 38.446,29.685 38.783,29.685 ; 38.782,29.685 39.047,29.95 U12.20@40.278,29.95 ; 38.8,29.702 39.052,29.45 U12.21@40.278,29.45
NetC76_1: C76.1 C79.2 | length 1.4
  Top Layer w0.254: C79.2@37.211,27.317 37.224,27.33 37.224,28.662 C76.1@37.236,28.675
NetC77_1: C77.1 C80.2 | length 1.3
  Top Layer w0.254: C77.1@31.445,27.317 C80.2@31.445,28.612
NetC81_2: C81.2 U12.48 | length 1.3
  Top Layer w0.254: U12.48@53,25.728 53,24.562 53.052,24.511 v1(53.052,24.471)
NetC82_2: C82.2 U12.73
NetC85_1: C85.1 C87.2 | length 1.7
  Top Layer w0.381: C85.1@53.554,59.29 C87.2@53.554,60.947
NetC86_1: C86.1 C88.2 | length 1.7
  Top Layer w0.381: C88.2@53.554,52.877 C86.1@53.554,54.533
NetC89_2: C89.2 R68.2 U13.3 | length 5.1
  Top Layer w0.254: R68.2@57.215,49.685 C89.2@59.026,49.685 ; U13.3@58.547,52.556 58.547,49.834 58.877,49.834 C89.2@59.026,49.685 ; C89.2@59.041,49.67 C89.2@59.026,49.685
NetC90_2: C90.2 R69.2 U13.5 | length 6.2
  Top Layer w0.254: C90.2@57.219,60.947 57.464,60.702 57.635,60.702 58.264,60.072 59.827,60.072 U13.5@59.827,58.217 ; 59.827,60.036 60.44,60.649 60.476,60.649 60.774,60.947 R69.2@60.87,60.947
NetC93_1: C93.1 C95.2 | length 1.7
  Top Layer w0.381: C93.1@68.186,56.083 C95.2@68.186,57.74
NetC94_1: C94.1 C96.2 | length 1.7
  Top Layer w0.381: C96.2@68.186,49.67 C94.1@68.186,51.327
NetC97_2: C97.2 R74.2 U14.5 | length 4.7
  Top Layer w0.254: C97.2@60.87,49.67 62.015,49.67 ; U14.5@61.976,52.557 61.976,49.709 62.015,49.67 ; R74.2@62.687,49.67 62.015,49.67
NetC99_2: C99.2 R75.2 U14.3 | length 5.2
  Top Layer w0.254: U14.3@63.246,58.207 63.246,59.694 64.499,60.947 R75.2@64.534,60.947 ; R75.2@64.534,60.91 66.342,60.91 C99.2@66.379,60.947
NetC101_1: C101.1 C103.2 | length 1.7
  Bottom Layer w0.381: C101.1@68.186,59.305 C103.2@68.186,60.967
NetC102_1: C102.1 C104.2 | length 1.7
  Bottom Layer w0.381: C104.2@68.186,52.882 C102.1@68.186,54.543
NetC105_2: C105.2 R79.2 U15.5 | length 6.1
  Bottom Layer w0.254: R79.2@60.869,60.967 61.923,59.912 ; U15.5@61.923,58.353 61.923,59.912 ; C105.2@64.528,60.967 64.478,60.967 63.423,59.912 61.923,59.912
NetC107_2: C107.2 R81.2 U15.3 | length 4.8
  Bottom Layer w0.254: C107.2@62.715,49.67 62.747,49.703 63.19,49.703 ; U15.3@63.19,52.7 63.19,49.703 ; R81.2@64.534,49.67 64.502,49.703 63.19,49.703
NetC109_1: C109.1 C111.2 | length 1.7
  Bottom Layer w0.381: C109.1@53.554,56.093 C111.2@53.554,57.755
NetC110_1: C110.1 C112.2 | length 1.7
  Bottom Layer w0.381: C112.2@53.554,49.67 C110.1@53.554,51.332
NetC113_2: C113.2 R86.2 U16.3 | length 5
  Bottom Layer w0.254: C113.2@55.383,60.967 57.296,60.967 57.594,60.669 57.623,60.669 58.494,59.797 U16.3@58.494,58.353
NetC115_2: C115.2 R87.2 U16.5 | length 4.9
  Bottom Layer w0.254: R87.2@59.038,49.67 59.738,49.67 ; U16.5@59.764,52.703 59.764,49.696 59.738,49.67 ; C115.2@60.883,49.67 59.738,49.67
NetC117_1: C117.1 C119.2 | length 1.2
  Top Layer w0.254: C119.2@15.131,43.546 C117.1@15.131,44.743
NetC118_1: C118.1 C120.2 | length 1.2
  Top Layer w0.254: C120.2@15.131,36.852 C118.1@15.131,38.049
NetC123_1: C123.1 C124.1 D5.1 J10.2 L6.2 | length 1.2
  Top Layer w0.381: v1(10.576,35.58) 10.693,35.697 J10.2@11.033,35.697 ; J10.2@10.966,35.697 11.521,35.697 v1(11.61,35.607)
NetC125_2: C125.2 R103.1 U19.5 | length 5.7
  Bottom Layer w0.254: C125.2@16.076,43.607 16.076,43.603 16.42,43.259 16.438,43.259 17.798,41.9 18.554,41.9 18.849,41.606 18.849,41.199 19.066,40.981 19.616,40.981 R103.1@19.861,40.736 ; U19.5@19.991,38.448 19.996,38.443 U19.5@19.996,38.184
  Bottom Layer w0.381: U19.5@19.861,38.549 19.962,38.448 U19.5@19.991,38.448
NetC126_1: C126.1 C129.2
NetC127_1: C127.1 C130.2
NetC136_1: C136.1 C144.2 | length 1.8
  Top Layer w0.381: C136.1@60.025,24.897 C144.2@61.804,24.897
NetC137_1: C137.1 C145.2
NetC138_1: C138.1 C146.2 | length 1.4
  Top Layer w0.381: C146.2@38.999,21.25 C138.1@40.448,21.25
NetC143_1: C143.1 C148.2 | length 1.2
  Top Layer w0.254: C148.2@15.194,30.159 C143.1@15.194,31.356
NetC155_1: C155.1 C156.2 | length 1.8
  Bottom Layer w0.381: C156.2@9.427,26.083 C155.1@9.427,27.835
NetD4_2: D4.2 L6.1 U19.7 U19.8
NetDS1_2: DS1.2 R5.1 | length 2
  Bottom Layer w0.254: R5.1@4.966,8.28 DS1.2@6.923,8.28
NetDS2_2: DS2.2 R10.1 | length 2
  Bottom Layer w0.254: R10.1@4.966,10.35 5.518,10.35 DS2.2@6.923,10.35
NetDS3_2: DS3.2 R16.1 | length 2
  Bottom Layer w0.254: R16.1@4.966,12.419 6.246,12.419 DS3.2@6.923,12.419
NetDS4_2: DS4.2 R20.1 | length 2
  Bottom Layer w0.254: R20.1@4.966,14.488 6.246,14.488 ; 6.246,14.488 DS4.2@6.923,14.488
NetDS5_2: DS5.2 R111.1 | length 2
  Bottom Layer w0.254: R111.1@4.966,18.627 DS5.2@6.923,18.627
NetDS6_2: DS6.2 R112.1 | length 2
  Bottom Layer w0.254: R112.1@4.966,16.557 6.246,16.557 DS6.2@6.923,16.557
NetJ1_14: J1.14 R54.2 | length 15.4
  Bottom Layer w0.254: R54.2@35.459,12.774 35.509,12.774 39.687,8.596 46.904,8.596 J1.14@48.5,7
NetJ1_15: J1.15 R52.2 | length 8.3
  Bottom Layer w0.254: R52.2@45.14,12.774 45.19,12.774 47.667,10.296 48.075,10.296 50.361,8.01 50.361,7.139 J1.15@50.5,7
NetJ1_16: J1.16 R50.2 | length 8.1
  Bottom Layer w0.254: R50.2@46.876,12.774 46.879,12.774 52.5,7.153 J1.16@52.5,7
NetJ1_17: J1.17 R48.2 | length 6.1
  Bottom Layer w0.254: R48.2@53.82,12.774 53.82,10.464 54.5,9.783 J1.17@54.5,7
NetJ1_18: J1.18 R45.2 | length 6.8
  Bottom Layer w0.254: J1.18@56.5,7 56.5,8.065 59.028,10.593 R45.2@59.028,12.774
NetJ1_35: J1.35 R55.1 | length 17.4
  Bottom Layer w0.254: R55.1@37.195,12.774 37.245,12.774 41.019,9 48.026,9 49.434,7.592 49.434,5.934 J1.35@48.5,5
NetJ1_36: J1.36 R53.1 | length 11.8
  Bottom Layer w0.254: R53.1@48.612,12.774 48.853,12.533 48.853,11.968 53.434,7.387 53.434,6.613 52.755,5.934 51.434,5.934 J1.36@50.5,5
NetJ1_37: J1.37 R51.1
NetJ1_38: J1.38 R49.1 | length 8.2
  Bottom Layer w0.254: J1.38@54.5,5 55.556,6.056 R49.1@55.556,12.774
NetJ1_39: J1.39 R47.1 | length 9.5
  Bottom Layer w0.254: J1.39@56.5,5 57.512,6.012 57.512,7.333 60.764,10.585 R47.1@60.764,12.774
NetJ4_3: J4.3 R128.1 | length 7.2
  Top Layer w0.254: R128.1@70.135,30.908 70.181,30.955 70.792,30.955 71.463,31.626 71.463,35.763 72.2,36.5 J4.3@72.6,36.5
NetJ4_4: J4.4 R129.1 | length 5.9
  Top Layer w0.254: R129.1@70.135,33.093 70.135,33.096 70.479,33.441 70.483,33.441 70.948,33.906 70.948,35.85 71.442,36.344 71.442,36.992 72.2,37.75 J4.4@72.6,37.75
NetJ4_5: J4.5 R130.1 | length 5
  Top Layer w0.254: R130.1@70.135,35.277 70.353,35.495 70.353,35.864 71.023,36.534 71.023,37.823 72.2,39 J4.5@72.6,39
NetJ4_6: J4.6 R131.1 | length 4
  Top Layer w0.254: R131.1@70.135,37.461 70.135,37.511 71.153,38.53 71.153,39.203 72.2,40.25 J4.6@72.6,40.25
NetJ4_7: J4.7 R132.1 | length 3.6
  Top Layer w0.254: R132.1@70.135,39.645 70.135,39.709 71.082,40.656 71.082,41.14 71.442,41.5 J4.7@72.6,41.5
NetJ4_8: J4.8 R133.1 | length 2.8
  Top Layer w0.254: R133.1@70.135,41.83 70.135,41.833 70.479,42.178 70.483,42.178 71.055,42.75 J4.8@72.6,42.75
NetJ4_9: J4.9 R134.1 | length 2.5
  Top Layer w0.254: R134.1@70.135,44.014 72.586,44.014 J4.9@72.6,44
NetJ6_3: J6.3 R115.2 | length 3.2
  Top Layer w0.381: J6.3@11.532,23.932 11.765,23.698 12.328,23.698 13.438,22.588 14.197,22.588 R115.2@14.211,22.574
NetJ6_4: J6.4 R116.2 | length 3
  Top Layer w0.381: J6.4@11.532,21.392 11.618,21.305 12.623,21.305 13.402,20.526 R116.2@14.211,20.526
NetJ6_5: J6.5 R117.2 | length 2.8
  Top Layer w0.381: J6.5@11.532,18.852 11.718,18.665 14.024,18.665 R117.2@14.211,18.478
NetJ8_3: J8.3 R92.2 U17.6 | length 16.8
  Top Layer w0.254: J8.3@12.748,46.118 11.703,46.118 11.528,46.293 11.528,47.596 12.579,48.647 18.219,48.647 18.931,47.935 U17.6@18.931,46.852 18.931,45.423 19.323,45.031 20,45.031 21.613,43.417 R92.2@21.613,43.367
NetJ8_4: J8.4 R93.2 U17.7 | length 14.6
  Top Layer w0.254: J8.4@12.748,47.118 12.748,47.745 13.104,48.1 17.979,48.1 18.262,47.817 18.262,46.871 U17.7@18.281,46.852 18.281,45.11 19.024,44.366 19.775,44.366 20.54,43.601 20.54,42.565 21.265,41.841 21.269,41.841 21.613,41.496 R93.2@21.613,41.493
NetJ9_3: J9.3 R99.2 U18.6 | length 30.1
  Top Layer w0.254: J9.3@7.221,46.118 8.876,46.118 9.241,45.753 9.241,45.08 8.365,44.204 8.365,41.682 8.925,41.122 10.322,41.122 12.911,38.533 12.911,34.941 14.036,33.816 15.777,33.816 16.253,34.293 18.317,34.293 18.931,34.907 ; U18.6@18.931,36.3 18.931,34.853 20.46,33.323 20.46,31.449 21.613,30.296 R99.2@21.613,30.246
NetJ9_4: J9.4 R100.2 U18.7 | length 29.5
  Top Layer w0.254: J9.4@7.221,47.118 9.245,47.118 10.255,46.108 10.255,45.147 8.862,43.755 8.862,42.038 9.284,41.616 10.591,41.616 13.451,38.756 13.451,35.209 14.33,34.33 15.553,34.33 16.141,34.918 17.987,34.918 18.281,35.211 U18.7@18.281,36.3 18.299,36.318 18.299,37.384 18.485,37.57 19.962,37.57 21.613,35.919 R100.2@21.613,35.869
NetJ11_1: J11.1 R113.2 | length 2.8
  Top Layer w0.381: J11.1@11.532,16.053 11.909,16.43 R113.2@14.211,16.43